# Altium PCB Zilents_TKL.PcbDoc (part 1 of 3) (continued)
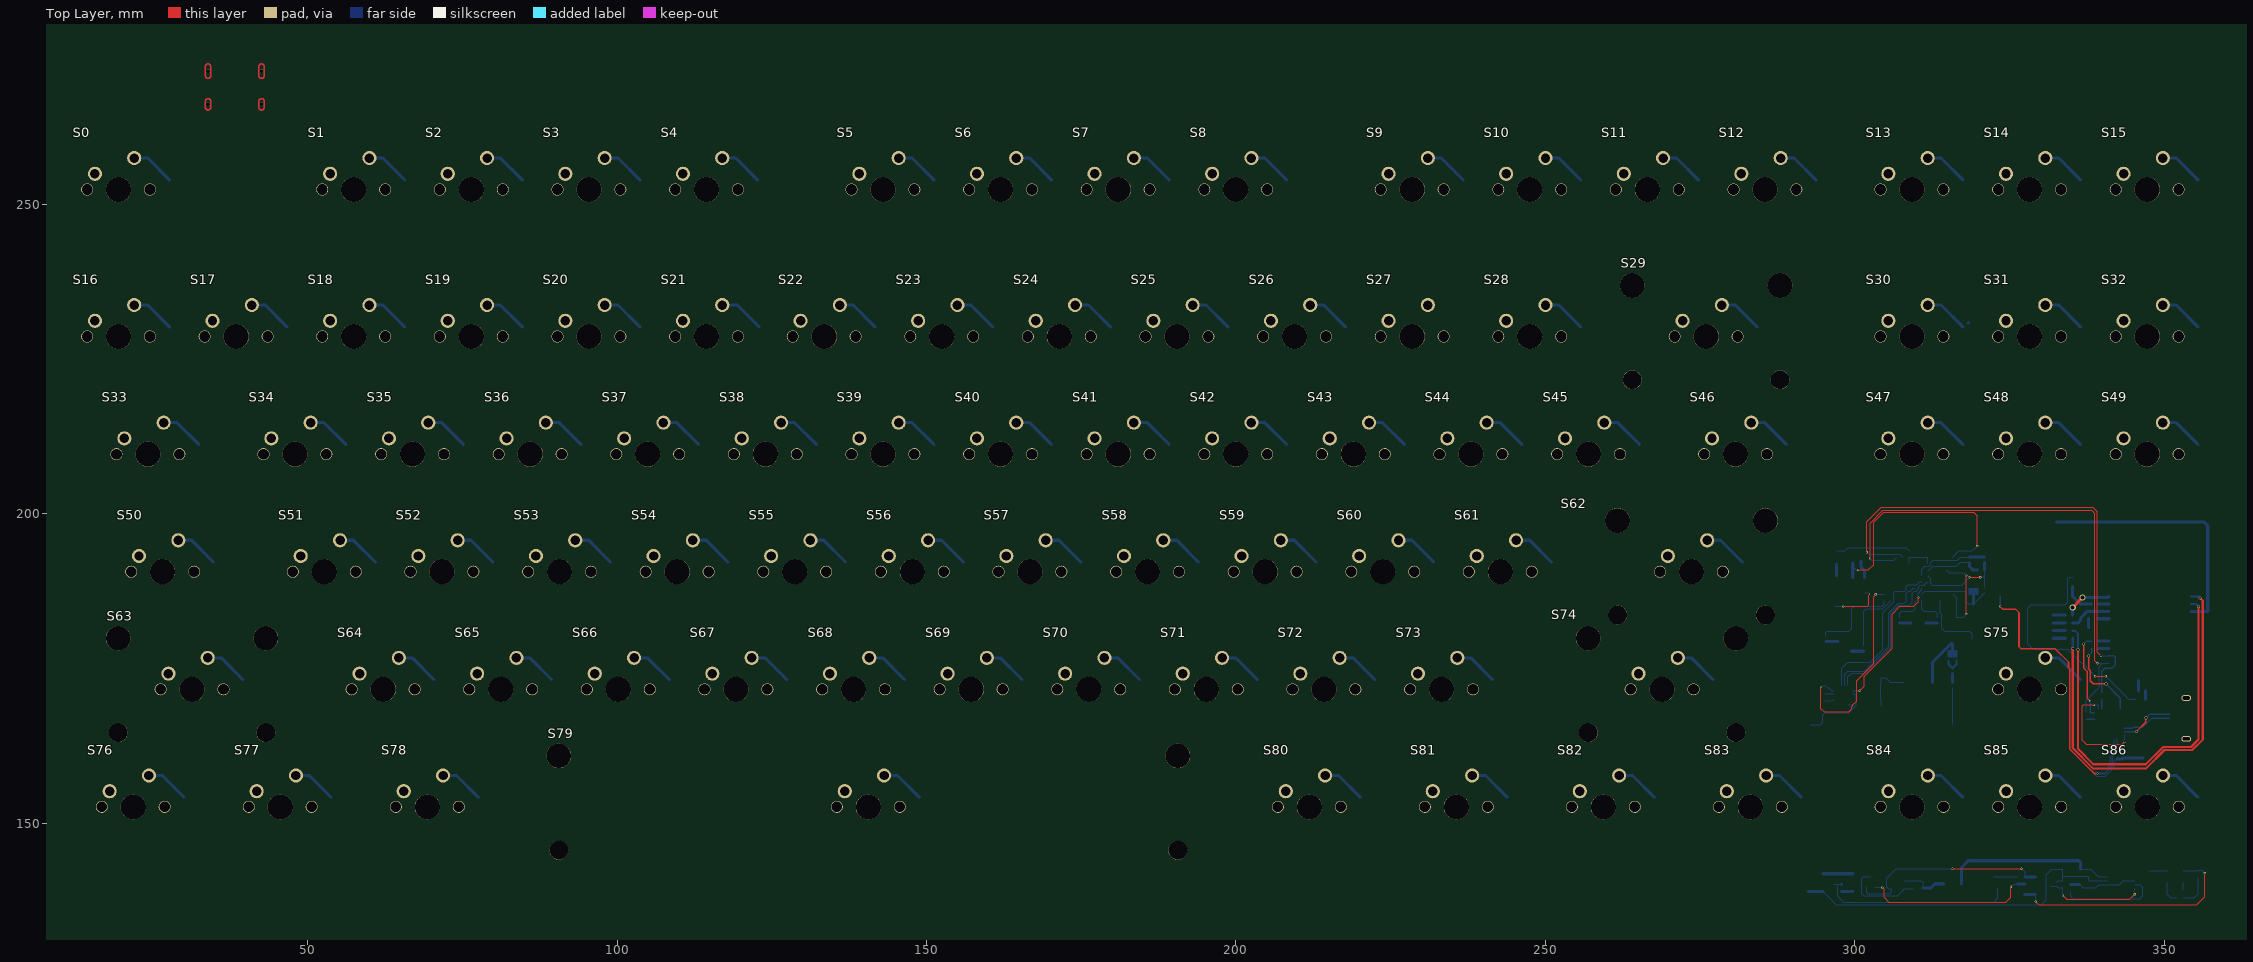
[diagram p0: Top Layer view]
## Components (designator, comment, footprint, x,y, rotation, side; value= is the part's Value field where it differs from the comment) (continued)
D136 "1655" FCI_1655 199.96,204.09 r0 bottom
D137 "1655" FCI_1655 218.96,204.09 r0 bottom
D138 "1655" FCI_1655 237.96,204.09 r0 bottom
D139 "1655" FCI_1655 256.96,204.09 r0 bottom
D140 "1655" FCI_1655 280.71,204.09 r0 bottom
D141 "1655" FCI_1655 309.21,204.09 r0 bottom
D142 "1655" FCI_1655 328.21,204.09 r0 bottom
D143 "1655" FCI_1655 347.21,204.09 r0 bottom
D144 "1655" FCI_1655 347.21,223.09 r0 bottom
D145 "1655" FCI_1655 328.21,223.09 r0 bottom
D146 "1655" FCI_1655 309.21,223.09 r0 bottom
D147 "1655" FCI_1655 275.96,223.09 r0 bottom
D148 "1655" FCI_1655 247.46,223.09 r0 bottom
D149 "1655" FCI_1655 228.46,223.09 r0 bottom
D150 "1655" FCI_1655 209.46,223.09 r0 bottom
D151 "1655" FCI_1655 190.46,223.09 r0 bottom
D152 "1655" FCI_1655 171.46,223.09 r0 bottom
D153 "1655" FCI_1655 152.46,223.09 r0 bottom
D154 "1655" FCI_1655 133.46,223.09 r0 bottom
D155 "1655" FCI_1655 114.46,223.09 r0 bottom
D156 "1655" FCI_1655 95.46,223.09 r0 bottom
D157 "1655" FCI_1655 76.46,223.09 r0 bottom
D158 "1655" FCI_1655 57.46,223.09 r0 bottom
D159 "1655" FCI_1655 38.46,223.09 r0 bottom
D160 "1655" FCI_1655 19.46,223.09 r0 bottom
D161 "1655" FCI_1655 19.46,246.84 r0 bottom
D162 "1655" FCI_1655 57.46,246.84 r0 bottom
D163 "1655" FCI_1655 76.46,246.84 r0 bottom
D164 "1655" FCI_1655 95.46,246.84 r0 bottom
D165 "1655" FCI_1655 114.46,246.84 r0 bottom
D166 "1655" FCI_1655 142.96,246.84 r0 bottom
D167 "1655" FCI_1655 161.96,246.84 r0 bottom
D168 "1655" FCI_1655 180.96,246.84 r0 bottom
D169 "1655" FCI_1655 199.96,246.84 r0 bottom
D170 "1655" FCI_1655 228.46,246.84 r0 bottom
D171 "1655" FCI_1655 247.46,246.84 r0 bottom
D172 "1655" FCI_1655 266.46,246.84 r0 bottom
D173 "1655" FCI_1655 285.46,246.84 r0 bottom
D174 "1655" FCI_1655 309.21,246.84 r0 bottom
D175 "1655" FCI_1655 328.21,246.84 r0 bottom
D176 "1655" FCI_1655 347.21,246.84 r0 bottom
D177 "Orange" "LED 0805/2012 YELLOW" 297.05,192.9 r270 bottom value=Green
D178 "Red" "LED 0603/1608 RED" 346.2,170 r0 bottom value=Green
D179 "Blue" "LED 0603/1608 BLUE" 338.5,183 r180 bottom value=Green
D180 "Green" "LED 0603/1608 GREEN" 335.175,188.955 r270 bottom
D181 "Green" "LED 0402/1005 GREEN" 355.45,141.767 r270 bottom
D182 "DB2X20600L" SOD123F 329.2,139.859 r90 bottom
D183 "DB2X20600L" SOD123F 299.65,140.379 r90 bottom
D184 "DB2X20600L" SOD123F 335.03,142.55 r180 bottom
D185 "DB2X20600L" SOD123F 294.805,140.379 r90 bottom
F0 "ERB-RD0R50X" ERB-RD0R50X 315.76,172.3 r90 bottom
FB0 "120 Ohm @ 100MHz" "FER 0402/1005" 315.76,174.56 r90 bottom
FB1 "600 Ohm @ 100MHz" "FER 0402/1005" 320.95,187.635 r270 bottom
FB2 "600 Ohm @ 100MHz" "FER 0402/1005" 317.67,178.41 r90 bottom
J0 "105450-0101" MOLEX_105450-0101_105450-0101(Primary) 38.25,269.47 r0 bottom
J1 "Micro USB" "FCI USB 10118193-0001LF" 353.472,166.9 r90 bottom
L0 "VLCF4028T-6R8N1R3-2" "TDK VLCF4028-2" 315.76,140.194 r180 bottom value=6.8uH
M0 "RN42 Module" RN42-LAND 354.3,172.8 r180 bottom value=RN42
R0 "1k" "RES 0402/1005" 295.15,170.3 r270 bottom
R1 "5.1k" "RES 0603/1608" 39,263.35 r90 bottom
R2 "5.1k" "RES 0603/1608" 37.25,263.35 r90 bottom
R3 "100k" "RES 0402/1005" 299.65,192.6 r270 bottom
R4 "33" "RES 0402/1005" 35.7,263.35 r270 bottom
R5 "33" "RES 0402/1005" 40.5,263.35 r270 bottom
R6 "470" "RES 0402/1005" 320.375,190.9 r0 bottom
R7 "470" "RES 0402/1005" 297.05,189.325 r90 bottom
R8 "3.3k" "RES 0402/1005" 337.4,167.35 r90 bottom
R9 "3.3k" "RES 0402/1005" 339.875,170.5 r90 bottom
R10 "3.3k" "RES 0402/1005" 338.8,179.4 r0 bottom
R11 "3.3k" "RES 0402/1005" 338.8,178.2 r0 bottom
R12 "470k" "RES 0402/1005" 338.8,185.4 r180 bottom
R13 "470k" "RES 0402/1005" 346.375,171.375 r0 bottom
R14 "3.3k" "RES 0402/1005" 334.6,183.615 r180 bottom
R15 "3.3k" "RES 0402/1005" 334.6,182.345 r180 bottom
R16 "3.3k" "RES 0402/1005" 334.575,181.075 r180 bottom
R17 "3.3k" "RES 0402/1005" 334.6,179.855 r180 bottom
R18 "10k" "RES 0402/1005" 357,183.625 r90 bottom
R19 "470k" "RES 0402/1005" 338.35,181.6 r180 bottom
R20 "10k" "RES 0402/1005" 342.375,160.94 r270 bottom
R21 "1M" "RES 0402/1005" 326.24,140.714 r270 bottom
R22 "1M" "RES 0402/1005" 309.44,138.828 r90 bottom
R23 "10k" "RES 0402/1005" 297.85,139.524 r270 bottom
R24 "100k" "RES 0402/1005" 296.55,139.524 r90 bottom
R25 "470k" "RES 0402/1005" 352.465,137.903 r180 bottom
R26 "2.55k" "RES 0402/1005" 352.465,139.253 r0 bottom
R27 "510" "RES 0402/1005" 337.775,140.134 r90 bottom
R28 "200k" "RES 0402/1005" 334.85,139.473 r90 bottom
R29 "150k" "RES 0402/1005" 333.6,140.128 r270 bottom
R30 "51k" "RES 0402/1005" 331.55,140.393 r270 bottom
R31 "1M" "RES 0402/1005" 327.475,140.714 r90 bottom
S0 "Cherry" CHERRY-MX-LED-1U 19.46,252.35 r0 top
S1 "Cherry" CHERRY-MX-LED-1U 57.46,252.35 r0 top
S2 "Cherry" CHERRY-MX-LED-1U 76.46,252.35 r0 top
S3 "Cherry" CHERRY-MX-LED-1U 95.46,252.35 r0 top
S4 "Cherry" CHERRY-MX-LED-1U 114.46,252.35 r0 top
S5 "Cherry" CHERRY-MX-LED-1U 142.96,252.35 r0 top
S6 "Cherry" CHERRY-MX-LED-1U 161.96,252.35 r0 top
S7 "Cherry" CHERRY-MX-LED-1U 180.96,252.35 r0 top
S8 "Cherry" CHERRY-MX-LED-1U 199.96,252.35 r0 top
S9 "Cherry" CHERRY-MX-LED-1U 228.46,252.35 r0 top
S10 "Cherry" CHERRY-MX-LED-1U 247.46,252.35 r0 top
S11 "Cherry" CHERRY-MX-LED-1U 266.46,252.35 r0 top
S12 "Cherry" CHERRY-MX-LED-1U 285.46,252.35 r0 top
S13 "Cherry" CHERRY-MX-LED-1U 309.21,252.35 r0 top
S14 "Cherry" CHERRY-MX-LED-1U 328.21,252.35 r0 top
S15 "Cherry" CHERRY-MX-LED-1U 347.21,252.35 r0 top
S16 "Cherry" CHERRY-MX-LED-1U 19.46,228.6 r0 top
S17 "Cherry" CHERRY-MX-LED-1U 38.46,228.6 r0 top
S18 "Cherry" CHERRY-MX-LED-1U 57.46,228.6 r0 top
S19 "Cherry" CHERRY-MX-LED-1U 76.46,228.6 r0 top
S20 "Cherry" CHERRY-MX-LED-1U 95.46,228.6 r0 top
S21 "Cherry" CHERRY-MX-LED-1U 114.46,228.6 r0 top
S22 "Cherry" CHERRY-MX-LED-1U 133.46,228.6 r0 top
S23 "Cherry" CHERRY-MX-LED-1U 152.46,228.6 r0 top
S24 "Cherry" CHERRY-MX-LED-1U 171.46,228.6 r0 top
S25 "Cherry" CHERRY-MX-LED-1U 190.46,228.6 r0 top
S26 "Cherry" CHERRY-MX-LED-1U 209.46,228.6 r0 top
S27 "Cherry" CHERRY-MX-LED-1U 228.46,228.6 r0 top
S28 "Cherry" CHERRY-MX-LED-1U 247.46,228.6 r0 top
S29 "Cherry" CHERRY-MX-LED-2U 275.96,228.6 r0 top
S30 "Cherry" CHERRY-MX-LED-1U 309.21,228.6 r0 top
S31 "Cherry" CHERRY-MX-LED-1U 328.21,228.6 r0 top
S32 "Cherry" CHERRY-MX-LED-1U 347.21,228.6 r0 top
S33 "Cherry" CHERRY-MX-LED-1.5U 24.21,209.6 r0 top
S34 "Cherry" CHERRY-MX-LED-1U 47.96,209.6 r0 top
S35 "Cherry" CHERRY-MX-LED-1U 66.96,209.6 r0 top
S36 "Cherry" CHERRY-MX-LED-1U 85.96,209.6 r0 top
S37 "Cherry" CHERRY-MX-LED-1U 104.96,209.6 r0 top
S38 "Cherry" CHERRY-MX-LED-1U 123.96,209.6 r0 top
S39 "Cherry" CHERRY-MX-LED-1U 142.96,209.6 r0 top
S40 "Cherry" CHERRY-MX-LED-1U 161.96,209.6 r0 top
S41 "Cherry" CHERRY-MX-LED-1U 180.96,209.6 r0 top
S42 "Cherry" CHERRY-MX-LED-1U 199.96,209.6 r0 top
S43 "Cherry" CHERRY-MX-LED-1U 218.96,209.6 r0 top
S44 "Cherry" CHERRY-MX-LED-1U 237.96,209.6 r0 top
S45 "Cherry" CHERRY-MX-LED-1U 256.96,209.6 r0 top
S46 "Cherry" CHERRY-MX-LED-1.5U 280.71,209.6 r0 top
S47 "Cherry" CHERRY-MX-LED-1U 309.21,209.6 r0 top
S48 "Cherry" CHERRY-MX-LED-1U 328.21,209.6 r0 top
S49 "Cherry" CHERRY-MX-LED-1U 347.21,209.6 r0 top
S50 "Cherry" CHERRY-MX-LED-1.75U 26.585,190.6 r0 top
S51 "Cherry" CHERRY-MX-LED-1U 52.71,190.6 r0 top
S52 "Cherry" CHERRY-MX-LED-1U 71.71,190.6 r0 top
S53 "Cherry" CHERRY-MX-LED-1U 90.71,190.6 r0 top
S54 "Cherry" CHERRY-MX-LED-1U 109.71,190.6 r0 top
S55 "Cherry" CHERRY-MX-LED-1U 128.71,190.6 r0 top
S56 "Cherry" CHERRY-MX-LED-1U 147.71,190.6 r0 top
S57 "Cherry" CHERRY-MX-LED-1U 166.71,190.6 r0 top
S58 "Cherry" CHERRY-MX-LED-1U 185.71,190.6 r0 top
S59 "Cherry" CHERRY-MX-LED-1U 204.71,190.6 r0 top
S60 "Cherry" CHERRY-MX-LED-1U 223.71,190.6 r0 top
S61 "Cherry" CHERRY-MX-LED-1U 242.71,190.6 r0 top
S62 "Cherry" CHERRY-MX-LED-2.25U 273.585,190.6 r0 top
S63 "Cherry" CHERRY-MX-LED-2.25U 31.335,171.6 r0 top
S64 "Cherry" CHERRY-MX-LED-1U 62.21,171.6 r0 top
S65 "Cherry" CHERRY-MX-LED-1U 81.21,171.6 r0 top
S66 "Cherry" CHERRY-MX-LED-1U 100.21,171.6 r0 top
S67 "Cherry" CHERRY-MX-LED-1U 119.21,171.6 r0 top
S68 "Cherry" CHERRY-MX-LED-1U 138.21,171.6 r0 top
S69 "Cherry" CHERRY-MX-LED-1U 157.21,171.6 r0 top
S70 "Cherry" CHERRY-MX-LED-1U 176.21,171.6 r0 top
S71 "Cherry" CHERRY-MX-LED-1U 195.21,171.6 r0 top
S72 "Cherry" CHERRY-MX-LED-1U 214.21,171.6 r0 top
S73 "Cherry" CHERRY-MX-LED-1U 233.21,171.6 r0 top
S74 "Cherry" CHERRY-MX-LED-2.75U 268.835,171.6 r0 top
S75 "Cherry" CHERRY-MX-LED-1U 328.21,171.6 r0 top
S76 "Cherry" CHERRY-MX-LED-1.25U 21.835,152.6 r0 top
S77 "Cherry" CHERRY-MX-LED-1.25U 45.585,152.6 r0 top
S78 "Cherry" CHERRY-MX-LED-1.25U 69.355,152.6 r0 top
S79 "Cherry" CHERRY-MX-LED-6.25U 140.605,152.6 r0 top
S80 "Cherry" CHERRY-MX-LED-1.25U 211.855,152.6 r0 top
S81 "Cherry" CHERRY-MX-LED-1.25U 235.605,152.6 r0 top
S82 "Cherry" CHERRY-MX-LED-1.25U 259.355,152.6 r0 top
S83 "Cherry" CHERRY-MX-LED-1.25U 283.105,152.6 r0 top
S84 "Cherry" CHERRY-MX-LED-1U 309.23,152.6 r0 top
S85 "Cherry" CHERRY-MX-LED-1U 328.23,152.6 r0 top
S86 "Cherry" CHERRY-MX-LED-1U 347.23,152.6 r0 top
S87 "218-4LPSTJ" "CTS 218-4LPJ" 329.95,181.71 r0 bottom
S88 "FSM4JSMATR" "TE FSM4JSMA" 290.54,170.45 r180 bottom
S89 "FSM4JSMATR" "TE FSM4JSMA" 328,196.4 r270 bottom
S90 "FSM4JSMATR" "TE FSM4JSMA" 328,188.9 r90 bottom
U0 "MK66FX1M0VMD18" BGA144C100P12X12_1300X1300X170_MK66FX1M0VMD18(Primary) 310.26,191.45 r180 bottom
U1 "MCU 32-Bit KL02 ARM Cortex M0+ RISC 32KB Flash 1.8V/2.5V/3.3V 16-Pin QFN EP Tray" QFN50P300X300X65-17N 298.1,170.625 r0 bottom
U2 "LP38691DTX-3.3" TO228P1042X238-3N 310.214,166.228 r0 bottom
U3 "TPD3S014DBVR" SOT95P280X145-6N 300.6,188.45 r270 bottom
U4 "SN74LVC1T45DCKR" DCK6 354.5,145.615 r0 bottom value=Value
U5 "FT232RQ-REEL" QFN50P500X500X100-33N 341.125,166.025 r270 bottom
U6 "LM2621MM" SOP65P490X110-8N 343,140.379 r180 bottom
U7 "PMIC-MCP73811T-120I/OT(SOT23-5)" SOT-23-5 351.74,141.376 r90 bottom
U8 "BC857BW" SOT323 302.59,140.475 r180 bottom value=Value
U9 "BC847BW" SOT323 322.39,140.413 r180 bottom value=Value
U10 "SiP32431" SiP32431 307,140.053 r270 bottom
Y0 "16MHz" "NDK NX3225SA" 298.35,178.55 r0 bottom
Y1 "32.768kHz" "ABRACON ABS07" 310.26,182.32 r0 bottom

## Footprints (in the part's own frame and the unit in brackets; to place one, negate y for a bottom-side part, rotate by r counter-clockwise, add the part's x,y. Pads: shape width x height; smd on the part's side, far side on the other; paste and mask are expansions set on the pad)
"ABRACON ABS07" [mm] "Crystal, 2-Leads, Body 3.20x1.50mm, IPC Medium Density"
  rect 1.4x1.9 smd: 1(-1.2,0) 2(1.2,0)
  silkscreen extent -2.2,-1.3 2.2,1.3, body extent -1.62,-0.77 1.63,0.78, height 0.9
BGA144C100P12X12_1300X1300X170_MK66FX1M0VMD18(Primary) [mm]
  round 0.45 smd: A1(-5.5,5.5) A2(-4.5,5.5) A3(-3.5,5.5) A4(-2.5,5.5) A5(-1.5,5.5) A6(-0.5,5.5) A7(0.5,5.5) A8(1.5,5.5) A9(2.5,5.5) A10(3.5,5.5) A11(4.5,5.5) A12(5.5,5.5) B1(-5.5,4.5) B2(-4.5,4.5) B3(-3.5,4.5) B4(-2.5,4.5) B5(-1.5,4.5) B6(-0.5,4.5) B7(0.5,4.5) B8(1.5,4.5) B9(2.5,4.5) B10(3.5,4.5) B11(4.5,4.5) B12(5.5,4.5) C1(-5.5,3.5) C2(-4.5,3.5) C3(-3.5,3.5) C4(-2.5,3.5) C5(-1.5,3.5) C6(-0.5,3.5) C7(0.5,3.5) C8(1.5,3.5) C9(2.5,3.5) C10(3.5,3.5) C11(4.5,3.5) C12(5.5,3.5) D1(-5.5,2.5) D2(-4.5,2.5) D3(-3.5,2.5) D4(-2.5,2.5) D5(-1.5,2.5) D6(-0.5,2.5) D7(0.5,2.5) D8(1.5,2.5) D9(2.5,2.5) D10(3.5,2.5) D11(4.5,2.5) D12(5.5,2.5) E1(-5.5,1.5) E2(-4.5,1.5) E3(-3.5,1.5) E4(-2.5,1.5) E5(-1.5,1.5) E6(-0.5,1.5) E7(0.5,1.5) E8(1.5,1.5) E9(2.5,1.5) E10(3.5,1.5) E11(4.5,1.5) E12(5.5,1.5) F1(-5.5,0.5) F2(-4.5,0.5) F3(-3.5,0.5) F4(-2.5,0.5) F5(-1.5,0.5) F6(-0.5,0.5) F7(0.5,0.5) F8(1.5,0.5) F9(2.5,0.5) F10(3.5,0.5) F11(4.5,0.5) F12(5.5,0.5) G1(-5.5,-0.5) G2(-4.5,-0.5) G3(-3.5,-0.5) G4(-2.5,-0.5) G5(-1.5,-0.5) G6(-0.5,-0.5) G7(0.5,-0.5) G8(1.5,-0.5) G9(2.5,-0.5) G10(3.5,-0.5) G11(4.5,-0.5) G12(5.5,-0.5) H1(-5.5,-1.5) H2(-4.5,-1.5) H3(-3.5,-1.5) H4(-2.5,-1.5) H5(-1.5,-1.5) H6(-0.5,-1.5) H7(0.5,-1.5) H8(1.5,-1.5) H9(2.5,-1.5) H10(3.5,-1.5) H11(4.5,-1.5) H12(5.5,-1.5) J1(-5.5,-2.5) J2(-4.5,-2.5) J3(-3.5,-2.5) J4(-2.5,-2.5) J5(-1.5,-2.5) J6(-0.5,-2.5) J7(0.5,-2.5) J8(1.5,-2.5) J9(2.5,-2.5) J10(3.5,-2.5) J11(4.5,-2.5) J12(5.5,-2.5) K1(-5.5,-3.5) K2(-4.5,-3.5) K3(-3.5,-3.5) K4(-2.5,-3.5) K5(-1.5,-3.5) K6(-0.5,-3.5) K7(0.5,-3.5) K8(1.5,-3.5) K9(2.5,-3.5) K10(3.5,-3.5) K11(4.5,-3.5) K12(5.5,-3.5) L1(-5.5,-4.5) L2(-4.5,-4.5) L3(-3.5,-4.5) L4(-2.5,-4.5) L5(-1.5,-4.5) L6(-0.5,-4.5) L7(0.5,-4.5) L8(1.5,-4.5) L9(2.5,-4.5) L10(3.5,-4.5) L11(4.5,-4.5) L12(5.5,-4.5) M1(-5.5,-5.5) M2(-4.5,-5.5) M3(-3.5,-5.5) M4(-2.5,-5.5) M5(-1.5,-5.5) M6(-0.5,-5.5) M7(0.5,-5.5) M8(1.5,-5.5) M9(2.5,-5.5) M10(3.5,-5.5) M11(4.5,-5.5) M12(5.5,-5.5)
  silkscreen extent -7.05,-6.5 6.5,6.5
"CAP 0201/0603" [mm] "Chip Capacitor, 2-Leads, Body 0.60x0.30mm, IPC Medium Density"
  rect 0.4x0.35 smd: 1(-0.31,0) 2(0.31,0)
  silkscreen extent -0.67,-0.33 0.67,0.33, body extent -0.3,-0.15 0.3,0.15, height 0.3
"CAP 0402/1005" [mm] "Chip Capacitor, 2-Leads, Body 1.02x0.51mm, IPC Medium Density"
  rect 0.6x0.64 smd: 1(-0.44,0) 2(0.44,0)
  silkscreen extent -1,-0.5 1,0.5, body extent -0.5,-0.26 0.5,0.26, height 0.52
"CAP 0402/1005 RF" [mm] "Chip Capacitor, 2-Leads, Body 1.02x0.51mm, IPC High Density"
  rect 0.55x0.54 smd: 1(-0.39,0) 2(0.39,0)
  silkscreen extent -0.88,-0.45 0.87,0.45, body extent -0.5,-0.26 0.5,0.26, height 0.52
"CAP 0603/1608" [mm] "Chip Capacitor, 2-Leads, Body 1.60x0.80mm, IPC Medium Density"
  rect 0.9x1 smd: 1(-0.675,0) 2(0.675,0)
  silkscreen extent -1.4,-0.7 1.4,0.7, body extent -0.8,-0.41 0.8,0.41, height 0.82
"CAP 1206/3216" [mm] "Chip Capacitor, 2-Leads, Body 3.25x1.60mm, IPC Medium Density"
  rect 1.3x1.8 smd: 1(-1.45,0) 2(1.45,0)
  silkscreen extent -2.37,-1.13 2.38,1.12, body extent -1.6,-0.81 1.6,0.81, height 1.62
"CAP 1206/3216 - 1.8MM" [mm] "Chip Capacitor, 2-Leads, Body 3.25x1.60mm, IPC Medium Density"
  rect 1.3x1.8 smd: 1(-1.45,0) 2(1.45,0)
  silkscreen extent -2.37,-1.12 2.37,1.12, body extent -1.6,-0.8 1.6,0.8, height 1.8
CHERRY-MX-LED-1.5U [mil]
  round 90 / inner round 60 / far side round 90 hole 60: 0(-150,100) 1(100,200)
  round 160 hole 160 unplated: 2(0,0)
  round 76 / inner round 60 / far side round 76 hole 67.5: 3(-200,0) 4(200,0)
CHERRY-MX-LED-1.25U [mil]
  round 90 / inner round 60 / far side round 90 hole 60: 0(-150,100) 1(100,200)
  round 160 hole 160 unplated: 2(0,0)
  round 76 / inner round 60 / far side round 76 hole 67.5: 3(-200,0) 4(200,0)
CHERRY-MX-LED-1.75U [mil]
  round 90 / inner round 60 / far side round 90 hole 60: 0(-150,100) 1(100,200)
  round 160 hole 160 unplated: 2(0,0)
  round 76 / inner round 60 / far side round 76 hole 67.5: 3(-200,0) 4(200,0)
CHERRY-MX-LED-1U [mil]
  round 90 / inner round 60 / far side round 90 hole 60: 0(-150,100) 1(100,200)
  round 160 hole 160 unplated: 2(0,0)
  round 76 / inner round 60 / far side round 76 hole 67.5: 3(-200,0) 4(200,0)
CHERRY-MX-LED-2.25U [mil]
  round 90 / inner round 60 / far side round 90 hole 60: 0(-150,100) 1(100,200)
  round 160 hole 160 unplated: 2(0,0)
  round 76 / inner round 60 / far side round 76 hole 67.5: 3(-200,0) 4(200,0)
  round 157 hole 157 unplated: 5(-470,325) 7(470,325)
  round 120 hole 120 unplated: 6(-470,-275) 8(470,-275)
CHERRY-MX-LED-2.75U [mil]
  round 90 / inner round 60 / far side round 90 hole 60: 0(-150,100) 1(100,200)
  round 160 hole 160 unplated: 2(0,0)
  round 76 / inner round 60 / far side round 76 hole 67.5: 3(-200,0) 4(200,0)
  round 157 hole 157 unplated: 5(-470,325) 7(470,325)
  round 120 hole 120 unplated: 6(-470,-275) 8(470,-275)
CHERRY-MX-LED-2U [mil]
  round 90 / inner round 60 / far side round 90 hole 60: 0(-150,100) 1(100,200)
  round 160 hole 160 unplated: 2(0,0)
  round 76 / inner round 60 / far side round 76 hole 67.5: 3(-200,0) 4(200,0)
  round 157 hole 157 unplated: 5(-470,325) 7(470,325)
  round 120 hole 120 unplated: 6(-470,-275) 8(470,-275)
CHERRY-MX-LED-6.25U [mil]
  round 90 / inner round 60 / far side round 90 hole 60: 0(-150,100) 1(100,200)
  round 160 hole 160 unplated: 2(0,0)
  round 76 / inner round 60 / far side round 76 hole 67.5: 3(-200,0) 4(200,0)
  round 157 hole 157 unplated: 5(-1968.5,325) 7(1968.5,325)
  round 120 hole 120 unplated: 6(-1968.5,-275) 8(1968.5,-275)
"CTS 218-4LPJ" [mm] "DIP, 6 POS, Body 8.79x6.05mm, Pitch 1.27mm, IPC Medium Density"
  oval 1.27x0.76 smd: 1(-2.05,1.905) 2(-2.05,0.635) 3(-2.05,-0.635) 4(-2.05,-1.905) 5(2.05,-1.905) 6(2.05,-0.635) 7(2.05,0.635) 8(2.05,1.905)
  silkscreen extent -3.12,-3.12 2.9,3.79, body extent -3.15,-3.13 3.15,3.12, height 2.71
DCK6 [mil]
  rect 46x14 smd paste+0 mask+0: 1(-38.5,25.59) 2(-38.5,0) 3(-38.5,-25.59) 4(38.5,-25.59) 5(38.5,0) 6(38.5,25.59)
  silkscreen extent -33,-48 33,48, body extent 0,0 10,10, height 10
ERB-RD0R50X [mm]
  rect 0.54x0.6 smd: 1(-0.43,0) 2(0.43,0)
  silkscreen extent -0.5,-0.48 0.5,0.48
"FCI USB 10118193-0001LF" [mm] "USB 2.0 Type B Micro"
  oval 0.4x1.35 smd: 1(1.3,-2.625) 2(0.65,-2.625) 3(0,-2.625) 4(-0.65,-2.625) 5(-1.3,-2.625)
  oval 0.9x1.6 hole 0.5 slot 1.2 at 90 deg: S(-3.3,0.05) S(3.3,0.05)
  rrect50% 1.6x1.4 smd: S(-3.2,-2.4) S(3.2,-2.4)
  rect 1.9x1.8 smd: S(-1.2,0.05) S(1.2,0.05)
  silkscreen extent -3.7,-2.8 3.7,2.8, body extent -3.93,-2.9 3.93,2.76, height 2.78
FCI_1655 [mm]
  rect 1.5x1 smd: 1(-2.45,1.6) 2(-2.45,-1.6) 3(2.45,-1.6) 4(2.45,1.6)
"FER 0402/1005" [mm] "Chip Ferrite, 2-Leads, Body 1.02x0.51mm, IPC Medium Density"
  rect 0.6x0.64 smd: 1(-0.44,0) 2(0.44,0)
  silkscreen extent -1,-0.5 1,0.5, body extent -0.5,-0.26 0.5,0.26, height 0.52
"LED 0402/1005 GREEN" [mm] "Chip Diode, 2-Leads, Body 1.00x0.50mm, IPC Medium Density"
  rect 0.75x0.6 smd: 1(-0.575,0) 2(0.575,0)
  silkscreen extent -1.14,-0.51 1.27,0.51, body extent -0.5,-0.25 0.5,0.25, height 0.21
"LED 0603/1608 BLUE" [mm] "Chip Diode, 2-Leads, Body 1.60x0.80mm, IPC Medium Density"
  rect 0.8x0.8 smd: 1(-0.75,0) 2(0.75,0)
  silkscreen extent -1.52,-0.7 1.52,0.7, body extent -0.8,-0.4 0.8,0.4, height 0.53
"LED 0603/1608 GREEN" [mm] "Chip Diode, 2-Leads, Body 1.60x0.80mm, IPC Medium Density"
  rect 0.8x0.8 smd: 1(-0.75,0) 2(0.75,0)
  silkscreen extent -1.52,-0.7 1.52,0.7, body extent -0.8,-0.4 0.8,0.4, height 0.53
"LED 0603/1608 RED" [mm] "Chip Diode, 2-Leads, Body 1.60x0.80mm, IPC Medium Density"
  rect 0.8x0.8 smd: 1(-0.75,0) 2(0.75,0)
  silkscreen extent -1.52,-0.7 1.52,0.7, body extent -0.8,-0.4 0.8,0.4, height 0.53
"LED 0805/2012 YELLOW" [mm] "Chip Diode, 2-Leads, Body 2.00x1.25mm, IPC Medium Density"
  rect 1.2x1.2 smd: 1(-1.05,0) 2(1.05,0)
  silkscreen extent -2.03,-0.9 2.03,0.9, body extent -1,-0.63 1,0.63, height 0.9
MOLEX_105450-0101_105450-0101(Primary) [mm]
  rect 0.1x0.2 smd: 1(-4.7,3.4) 2(3.9,3.4) 3(-4.7,-2) 4(4.7,-2)
  round 0.6 hole 0.6 unplated: 1(4.32,-2) 2(4.32,3.36) 3(-4.32,3.36) 4(-4.32,-2)
  rect 0.3x0.7 smd: A1(-3,3.77) A2(-2.5,3.77) A3(-2,3.77) A4(-1.5,3.77) A5(-1,3.77) A6(-0.5,3.77) A7(0.5,3.77) A8(1,3.77) A9(1.5,3.77) A10(2,3.77) A11(2.5,3.77) A12(3,3.77) B2(2.25,2.47) B3(1.75,2.47) B4(1.25,2.47) B5(0.75,2.47) B6(0.25,2.47) B7(-0.25,2.47) B8(-0.75,2.47) B9(-1.25,2.47) B10(-1.75,2.47) B11(-2.25,2.47)
  rect 1x0.7 smd: B1(3.1,2.47) B12(-3.1,2.47)
  Top Layer lines w0.25: -4.745,3.86 cw(c-4.32,3.86) -4.32,4.285 ; -4.745,3.86 cw(c-4.32,3.86) -4.32,4.285 ; -4.745,3.86 cw(c-4.32,3.86) -4.32,4.285 ; -4.745,3.86 cw(c-4.32,3.86) -4.32,4.285 ; -4.745,3.86 -4.745,3.4 ; -4.745,3.86 -4.745,2.86 ; -4.745,3.86 -4.745,3.4 ; -4.745,3.86 -4.745,3.4 ; -4.745,3.4 -4.745,3.36 ; -4.745,3.4 -4.745,3.36 ; -4.745,3.4 -4.745,3.36 ; -4.745,3.36 -4.745,2.86 ; -4.745,3.36 -4.745,2.86 ; -4.745,3.36 -4.745,2.86 ; -4.745,2.86 ccw(c-4.32,2.86) -4.32,2.435 ccw(c-4.32,2.86) -3.895,2.86 ; -4.745,-1.25 cw(c-4.32,-1.25) -4.32,-0.825 ; -4.745,-1.25 cw(c-4.32,-1.25) -4.32,-0.825 ; -4.745,-1.25 cw(c-4.32,-1.25) -4.32,-0.825 ; -4.745,-1.25 cw(c-4.32,-1.25) -4.32,-0.825 ; -4.745,-1.25 -4.745,-2 ; -4.745,-1.25 -4.745,-2.75 ; -4.745,-1.25 -4.745,-2 ; -4.745,-1.25 -4.745,-2 ; -4.745,-2 -4.745,-2.75 ; -4.745,-2 -4.745,-2.75 ; -4.745,-2 -4.745,-2.75 ; -4.745,-2.75 ccw(c-4.32,-2.75) -4.32,-3.175 ccw(c-4.32,-2.75) -3.895,-2.75 -3.895,-1.25 ccw(c-4.32,-1.25) -4.32,-0.825 ; -4.32,4.285 cw(c-4.32,3.86) -3.895,3.86 ; -4.32,4.285 cw(c-4.32,3.86) -3.895,3.86 ; -4.32,4.285 cw(c-4.32,3.86) -3.895,3.86 ; -4.32,4.285 cw(c-4.32,3.86) -3.895,3.86 ; -3.895,3.86 -3.895,2.86 ; -3.895,3.86 -3.895,2.86 ; -3.895,3.86 -3.895,2.86 ; -3.895,3.86 -3.895,2.86 ; 3.895,3.86 cw(c4.32,3.86) 4.32,4.285 cw(c4.32,3.86) 4.745,3.86 ; 3.895,3.86 3.895,3.4 ; 3.895,3.86 3.895,2.86 ; 3.895,3.86 3.895,3.4 ; 3.895,3.86 3.895,3.4 ; 3.895,3.4 3.895,3.36 ; 3.895,3.4 3.895,3.36 ; 3.895,3.4 3.895,3.36 ; 3.895,3.36 3.895,2.86 ; 3.895,3.36 3.895,2.86 ; 3.895,3.36 3.895,2.86 ; 3.895,2.86 ccw(c4.32,2.86) 4.32,2.435 ccw(c4.32,2.86) 4.745,2.86 ; 3.895,-1.25 cw(c4.32,-1.25) 4.32,-0.825 cw(c4.32,-1.25) 4.745,-1.25 ; 3.895,-1.25 3.895,-2 ; 3.895,-1.25 3.895,-2.75 ; 3.895,-1.25 3.895,-2 ; 3.895,-1.25 3.895,-2 ; 3.895,-2 3.895,-2.75 ; 3.895,-2 3.895,-2.75 ; 3.895,-2 3.895,-2.75 ; 3.895,-2.75 ccw(c4.32,-2.75) 4.32,-3.175 ccw(c4.32,-2.75) 4.745,-2.75 ; 4.745,3.86 4.745,3.36 ; 4.745,3.86 4.745,2.86 ; 4.745,3.86 4.745,3.36 ; 4.745,3.86 4.745,3.36 ; 4.745,3.36 4.745,2.86 ; 4.745,3.36 4.745,2.86 ; 4.745,3.36 4.745,2.86 ; 4.745,-1.25 4.745,-2.75 ; 4.745,-1.25 4.745,-2 ; 4.745,-1.25 4.745,-2 ; 4.745,-1.25 4.745,-2 ; 4.745,-2 4.745,-2.75 ; 4.745,-2 4.745,-2.75 ; 4.745,-2 4.745,-2.75
  Bottom Layer lines w0.25: -4.745,3.86 cw(c-4.32,3.86) -4.32,4.285 ; -4.745,3.86 cw(c-4.32,3.86) -4.32,4.285 ; -4.745,3.86 cw(c-4.32,3.86) -4.32,4.285 ; -4.745,3.86 cw(c-4.32,3.86) -4.32,4.285 ; -4.745,3.86 -4.745,3.36 ; -4.745,3.86 -4.745,2.86 ; -4.745,3.86 -4.745,3.36 ; -4.745,3.86 -4.745,3.36 ; -4.745,3.36 -4.745,2.86 ; -4.745,3.36 -4.745,2.86 ; -4.745,3.36 -4.745,2.86 ; -4.745,2.86 ccw(c-4.32,2.86) -4.32,2.435 ccw(c-4.32,2.86) -3.895,2.86 ; -4.745,-1.25 cw(c-4.32,-1.25) -4.32,-0.825 ; -4.745,-1.25 cw(c-4.32,-1.25) -4.32,-0.825 ; -4.745,-1.25 cw(c-4.32,-1.25) -4.32,-0.825 ; -4.745,-1.25 cw(c-4.32,-1.25) -4.32,-0.825 ; -4.745,-1.25 -4.745,-2 ; -4.745,-1.25 -4.745,-2.75 ; -4.745,-1.25 -4.745,-2 ; -4.745,-1.25 -4.745,-2 ; -4.745,-2 -4.745,-2.75 ; -4.745,-2 -4.745,-2.75 ; -4.745,-2 -4.745,-2.75 ; -4.745,-2.75 ccw(c-4.32,-2.75) -4.32,-3.175 ccw(c-4.32,-2.75) -3.895,-2.75 -3.895,-1.25 ccw(c-4.32,-1.25) -4.32,-0.825 ; -4.32,4.285 cw(c-4.32,3.86) -3.895,3.86 ; -4.32,4.285 cw(c-4.32,3.86) -3.895,3.86 ; -4.32,4.285 cw(c-4.32,3.86) -3.895,3.86 ; -4.32,4.285 cw(c-4.32,3.86) -3.895,3.86 ; -3.895,3.86 -3.895,2.86 ; -3.895,3.86 -3.895,2.86 ; -3.895,3.86 -3.895,2.86 ; -3.895,3.86 -3.895,2.86 ; 3.895,3.86 cw(c4.32,3.86) 4.32,4.285 cw(c4.32,3.86) 4.745,3.86 ; 3.895,3.86 3.895,3.36 ; 3.895,3.86 3.895,2.86 ; 3.895,3.86 3.895,3.36 ; 3.895,3.86 3.895,3.36 ; 3.895,3.36 3.895,2.86 ; 3.895,3.36 3.895,2.86 ; 3.895,3.36 3.895,2.86 ; 3.895,2.86 ccw(c4.32,2.86) 4.32,2.435 ccw(c4.32,2.86) 4.745,2.86 ; 3.895,-1.25 cw(c4.32,-1.25) 4.32,-0.825 cw(c4.32,-1.25) 4.745,-1.25 ; 3.895,-1.25 3.895,-2 ; 3.895,-1.25 3.895,-2.75 ; 3.895,-1.25 3.895,-2 ; 3.895,-1.25 3.895,-2 ; 3.895,-2 3.895,-2.75 ; 3.895,-2 3.895,-2.75 ; 3.895,-2 3.895,-2.75 ; 3.895,-2.75 ccw(c4.32,-2.75) 4.32,-3.175 ccw(c4.32,-2.75) 4.745,-2.75 ; 4.745,3.86 4.745,3.36 ; 4.745,3.86 4.745,2.86 ; 4.745,3.86 4.745,3.36 ; 4.745,3.86 4.745,3.36 ; 4.745,3.36 4.745,2.86 ; 4.745,3.36 4.745,2.86 ; 4.745,3.36 4.745,2.86 ; 4.745,-1.25 4.745,-2 ; 4.745,-1.25 4.745,-2.75 ; 4.745,-1.25 4.745,-2 ; 4.745,-1.25 4.745,-2 ; 4.745,-2 4.745,-2.75 ; 4.745,-2 4.745,-2.75 ; 4.745,-2 4.745,-2.75
  silkscreen extent -4.47,-3.95 4.47,-3.95
"NDK NX3225SA" [mm] "Crystal, 4-Leads, Body 2.50x3.20mm, Pitch 2.20mm, IPC Medium Density"
  rect 1.4x1.2 smd: 1(-1.1,-0.8) 2(1.1,-0.8) 3(1.1,0.8) 4(-1.1,0.8)
  silkscreen extent -2.25,-1.85 2.1,1.7, body extent -1.61,-1.26 1.61,1.26, height 0.6
QFN50P300X300X65-17N [mm]
  rrect100% 0.65x0.3 smd: 1(-1.55,0.75) 2(-1.55,0.25) 3(-1.55,-0.25) 4(-1.55,-0.75) 9(1.55,-0.75) 10(1.55,-0.25) 11(1.55,0.25) 12(1.55,0.75)
  rrect100% 0.3x0.65 smd: 5(-0.75,-1.55) 6(-0.25,-1.55) 7(0.25,-1.55) 8(0.75,-1.55) 13(0.75,1.55) 14(0.25,1.55) 15(-0.25,1.55) 16(-0.75,1.55)
  rect 2x2 smd: 17(0,0)
QFN50P500X500X100-33N [mm]
  rect 0.86x0.27 smd: 1(-2.425,1.75) 2(-2.425,1.25) 3(-2.425,0.75) 4(-2.425,0.25) 5(-2.425,-0.25) 6(-2.425,-0.75) 7(-2.425,-1.25) 8(-2.425,-1.75) 17(2.425,-1.75) 18(2.425,-1.25) 19(2.425,-0.75) 20(2.425,-0.25) 21(2.425,0.25) 22(2.425,0.75) 23(2.425,1.25) 24(2.425,1.75)
  rect 0.27x0.86 smd: 9(-1.75,-2.425) 10(-1.25,-2.425) 11(-0.75,-2.425) 12(-0.25,-2.425) 13(0.25,-2.425) 14(0.75,-2.425) 15(1.25,-2.425) 16(1.75,-2.425) 25(1.75,2.425) 26(1.25,2.425) 27(0.75,2.425) 28(0.25,2.425) 29(-0.25,2.425) 30(-0.75,2.425) 31(-1.25,2.425) 32(-1.75,2.425)
  rect 3.2x3.2 smd: 33(0,0)
  silkscreen extent -3.45,-2.54 2.54,2.54
"RES 0402/1005" [mm] "Chip Resistor, 2-Leads, Body 1.0x0.5mm, IPC Medium Density"
  rect 0.75x0.6 smd: 1(-0.575,0) 2(0.575,0)
  silkscreen extent -1.14,-0.51 1.14,0.51, body extent -0.5,-0.25 0.5,0.25, height 0.35
"RES 0603/1608" [mm] "Chip Resistor, 2-Leads, Body 1.60x0.80mm, IPC Medium Density"
  rect 0.85x0.95 smd: 1(-0.65,0) 2(0.65,0)
  silkscreen extent -1.27,-0.7 1.27,0.7, body extent -0.8,-0.4 0.8,0.4, height 0.45
RN42-LAND [mm] "RN42 Footprint"
  oval 1.5x0.8 smd: 1(0,16.2) 2(0,15) 3(0,13.8) 4(0,12.6) 5(0,11.4) 6(0,10.2) 7(0,9) 8(0,7.8) 9(0,6.6) 10(0,5.4) 11(0,4.2) 12(0,3) 13(13.3,3) 14(13.3,4.2) 15(13.3,5.4) 16(13.3,6.6) 17(13.3,7.8) 18(13.3,9) 19(13.3,10.2) 20(13.3,11.4) 21(13.3,12.6) 22(13.3,13.8) 23(13.3,15) 24(13.3,16.2)
  oval 0.8x1.5 smd: 28(9.8,0.2) 29(3.6,0.2) 30(10.8,0.2) 31(8.5,0.2) 32(7.3,0.2) 33(6.1,0.2) 34(4.9,0.2) 35(2.6,0.2)
  silkscreen extent 0,0 13.3,25.4
SiP32431 [mm]
  rect 0.35x0.5 smd: 1(-0.65,-1.05) 2(0,-1.05) 3(0.65,-1.05) 4(0.65,1.05) 5(0,1.05) 6(-0.65,1.05)
SOD123F [mm] "SODFL, 2-Leads, Body 1.60x3.50mm, IPC Medium Density"
  rect 1.2x1.2 smd: 1(-1.43,0) 2(1.43,0)
  silkscreen extent -2.41,-1.02 2.41,1.02, body extent -1.75,-0.8 1.75,0.8, height 1.1
SOD-123 [mm] "SOD, 2-Leads, Body 1.55x3.70mm, IPC Medium Density"
  rect 0.9x0.95 smd: 1(-1.575,0) 2(1.575,0)
  silkscreen extent -2.3,-0.92 2.41,0.92, body extent -1.86,-0.77 1.86,0.77, height 1.35
SOP65P490X110-8N [mil]
  rect 54x18 smd: 1(-87,38) 2(-87,13) 3(-87,-13) 4(-87,-38) 5(87,-38) 6(87,-13) 7(87,13) 8(87,38)
  silkscreen extent -54,-59 54,59
SOT95P280X145-6N [mm]
  rect 1.21x0.58 smd: 1(-1.255,0.95) 2(-1.255,0) 3(-1.255,-0.95) 4(1.255,-0.95) 5(1.255,0) 6(1.255,0.95)
  silkscreen extent -2.6,-1.53 0.88,1.53
SOT323 [mil]
  rect 18x46 smd paste+0 mask+0: 1(-25.59,-34.5) 2(25.59,-34.5) 3(0,34.5)
  silkscreen extent -98,-48 49,32, body extent 0,0 10,10, height 10
SOT1061 [mm]
  rect 0.4x0.5 smd: 1(-0.65,-0.8) 2(0.65,-0.8)
  rect 0x0 all layers, no hole: 3(0,0.875)
  rect 0.4x0.25 smd paste+0 mask+0: 3(0,0.925)
  Top Layer region: 0.8,-0.3 -0.8,-0.3 -0.8,0.8 -0.2,0.8 0.2,0.8 0.8,0.8
  silkscreen extent -1,-1 1,1
SOT-23-5 [mm]
  rect 0.69x1.2 smd: 1(-0.95,-1.3) 2(0,-1.3) 3(0.95,-1.3) 4(0.95,1.3) 5(-0.95,1.3)
"TDK VLCF4028-2" [mm] "Precision Wire Wound Inductor, 2-Leads, Body 4.00x4.00mm, IPC Medium Density"
  rect 1.6x3.9 smd: 1(-1.45,0) 2(1.45,0)
  silkscreen extent -0.4,-2 0.4,2, body extent -2.05,-2 2.05,2, height 2.81
"TE FSM4JSMA" [mm]
  rrect50% 1.4x2.1 smd: 1(2.25,4.55) 2(2.25,-4.55) 3(-2.25,4.55) 4(-2.25,-4.55)
  silkscreen extent -2.92,-3.3 2.92,3.3, body extent -3,-5 3,5, height 5.08
TO228P1042X238-3N [mil]
  rect 35x48 smd: 1(-90,-256) 3(90,-256)
  rect 265x256 smd: 2(0,6)